# Altium PCB SDR_CAMERA.PcbDoc (part 2 of 3) (continued)
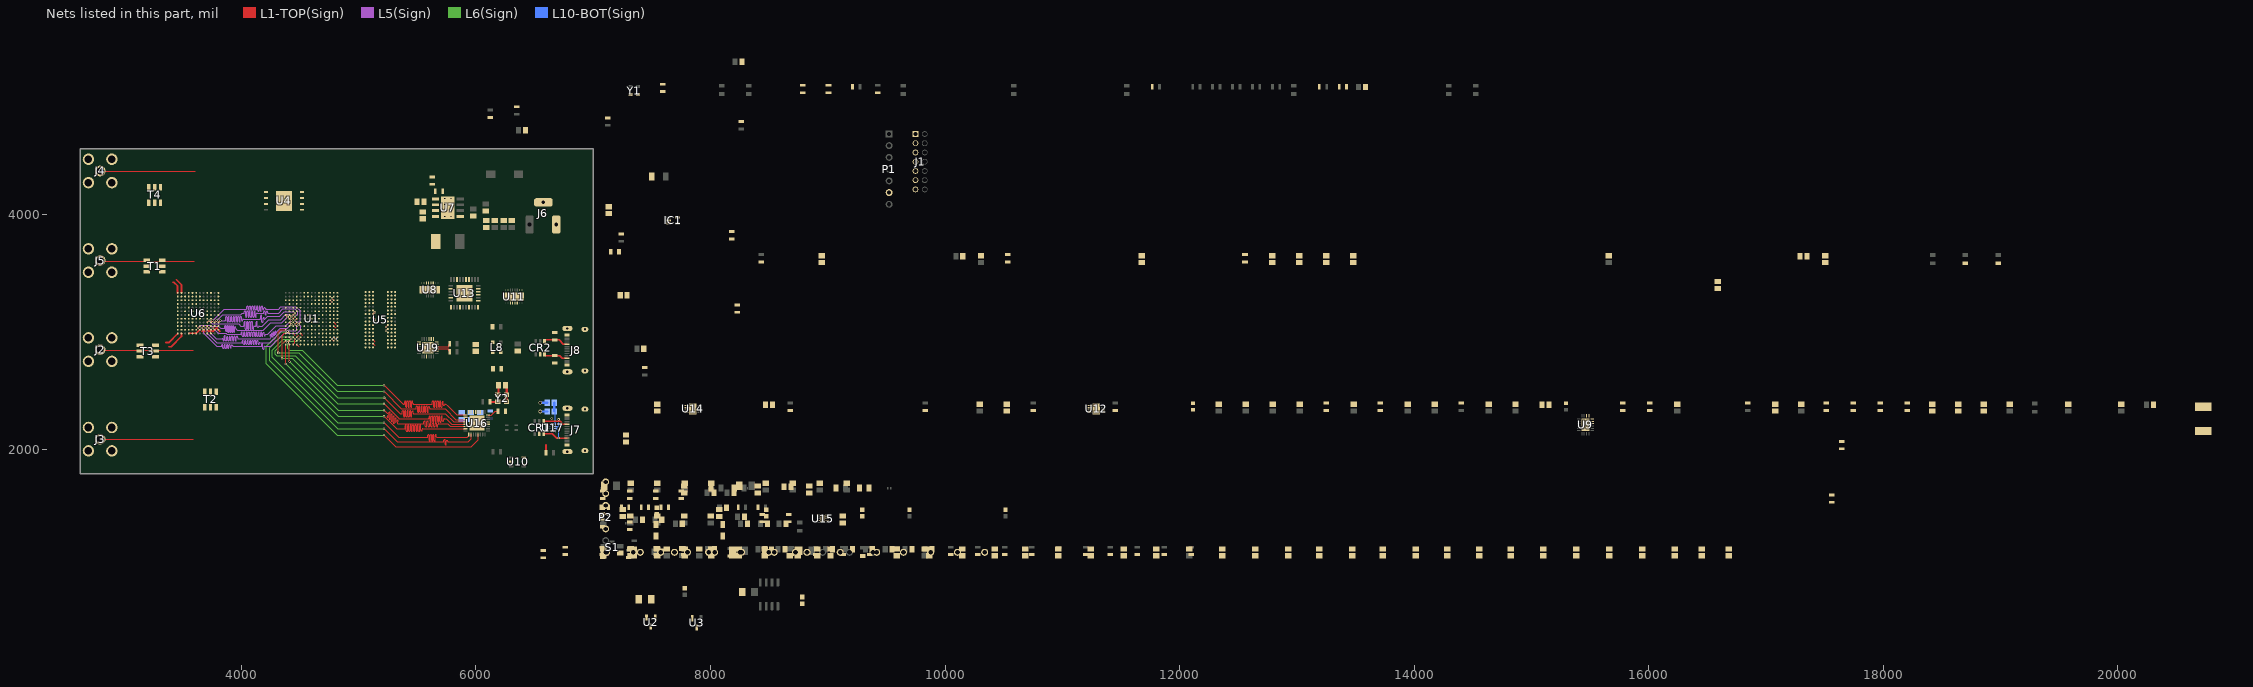
[diagram p10: the nets of this part, all layers, seen from the top]
## Nets (pads, with @x,y where several pads share a name; then routed paths per layer and width w, separated by ;. In a path a pad name is that pad's centre, name@x,y a point inside that pad or via, vN(x,y) a via of type N, cw(c..) or ccw(c..) an arc to the next point about the centre after c; other vN are vias at no path point) (continued)
NetR69_1: R69.1 U11.4
NetR72_1: R72.1 U11.5
NetR74_1: R74.1 U15.9
NetR75_1: R75.1 U15.7
NetR78_1: R78.1 U16.24 | length 96.3
  L1-TOP(Sign) w7.87: U16.24@6102.8,2292.81 6131.39,2292.81 6165.35,2326.77 R78.1@6185.04,2326.77
NetR80_2: R80.2 U17.3 | length 66.9
  L1-TOP(Sign) w15.75: R80.2@6598.43,1972.44 6598.43,2039.37
NetR81_1: R81.1 Y2.3 | length 70.7
  L1-TOP(Sign) w19.68: R81.1@6121.11,2400.9 6120.81,2400.59 R81.1@6120.81,2404.53 6184.57,2404.53 Y2.3@6185.79,2405.76 Y2.3@6185.2,2406.36
NetR83_1: R83.1 R87.2 U19.8
NetU1_M7: U1.M7 U2.1
OUTA: C82.1 C83.1 C84.1 U8.7 U8.8 U11.9 U11.10 U11.15 U11.16
OVP: R60.2 R64.1 U9.15
PG_MPM54304: U13.26
PGND: C160.2 CR2.2 FB18.2 J8.A1_B12 J8.A12_B1 J8.SH1 J8.SH2 J8.SH3 J8.SH4 L8.4 R88.1 R90.1
PL_GPIO0: TP2.TP U1.K13
PL_GPIO1: TP4.TP U1.M12
PL_GPIO2: TP6.TP U1.R10
PL_GPIO3: TP12.TP U1.N14 | length 0
PL_GPIO4: TP14.TP U1.M14
PS-SRST#: R14.2 U1.B11
PS_CLK_500: R15.1 R15.2 U1.C7 Y1.3
PS_GPIO0: TP1.TP U1.D8
PS_GPIO1: TP3.TP U1.B10
PS_GPIO2: U1.D6
PS_GPIO3: TP7.TP U1.B5
PS_GPIO4: TP9.TP U1.C13
PS_GPIO5: TP11.TP U1.D13 | length 22.3
  L1-TOP(Sign) w5.91: U1.D13@4440.94,2988.19 4456.69,2972.44
PS_GPIO6: TP13.TP U1.B12
PS_MIO01_500_QSPI0_SS_B: R21.1 U1.A5 U4.1
PS_MIO02_500_QSPI0_IO0: R25.2 U1.A8 U4.5
PS_MIO03_500_QSPI0_IO1: R23.2 U1.A7 U4.2
PS_MIO04_500_QSPI0_IO2: R24.2 U1.C8 U4.3
PS_MIO05_500_QSPI0_IO3: P2.3 R22.1 U1.A9 U4.7
PS_MIO06_500_QSPI0_SCLK: R26.2 U1.A10 U4.6
PS_MIO07_500_USB_RESET_B: R18.2 U1.A12 U16.27 | length 22.3
  L1-TOP(Sign) w5.32: U1.A12@4472.44,2893.7 4488.19,2877.95
PS_MIO28_501_USB0_D4: U1.A15 U16.7 | length 2573.7
  L1-TOP(Sign) w5.91: v1(4377.95,2728.1) U1.A15@4377.95,2893.7 ; v1(5216.54,2281.5) 5322.83,2175.2 5387.44,2175.2 5390.39,2175.2 ccw(c5390.39,2181.1) 5396.3,2181.1 5396.3,2199.69 cw(c5401.46,2199.69) 5406.61,2199.69 5406.61,2158.51 ccw(c5411.77,2158.51) 5416.93,2158.51 5416.93,2199.69 cw(c5422.09,2199.69) 5427.24,2199.69 5427.24,2158.51 ccw(c5432.4,2158.51) 5437.56,2158.51 5437.56,2199.69 cw(c5442.72,2199.69) 5447.87,2199.69 5447.87,2158.51 ccw(c5453.03,2158.51) 5458.19,2158.51 5458.19,2199.69 cw(c5463.35,2199.69) 5468.5,2199.69 5468.5,2158.51 ccw(c5473.66,2158.51) 5478.82,2158.51 5478.82,2199.69 cw(c5483.98,2199.69) 5489.13,2199.69 5489.13,2158.51 ccw(c5494.29,2158.51) 5499.45,2158.51 5499.45,2199.69 cw(c5504.61,2199.69) 5509.76,2199.69 5509.76,2158.51 ccw(c5514.92,2158.51) 5520.08,2158.51 5520.08,2199.69 cw(c5525.24,2199.69) 5530.39,2199.69 5530.39,2162.96 ccw(c5535.55,2162.96) 5540.71,2162.96 5540.71,2169.29 cw(c5546.61,2169.29) 5546.61,2175.2 5561.98,2175.2 U16.7@5912.01,2175.2
  L6(Sign) w3.94: v1(4377.95,2728.1) 4824.56,2281.5 v1(5216.54,2281.5)
PS_MIO29_501_USB0_DIR: U1.D11 U16.31 | length 22.3
  L1-TOP(Sign) w5.91: U1.D11@4503.94,2988.19 4519.69,2972.44
PS_MIO30_501_USB0_STP: U1.B15 U16.29 | length 24.7
  L1-TOP(Sign) w5.91: 4360.52,2907.76 U1.B15@4377.95,2925.2
PS_MIO31_501_USB0_NXT: U1.C12 U16.2 | length 22.3
  L1-TOP(Sign) w5.91: U1.C12@4472.44,2956.69 4488.19,2972.44
PS_MIO32_501_USB0_D0: U1.E15 U16.3 | length 2573.7
  L1-TOP(Sign) w5.91: v1(4314.96,2822.83) 4314.96,2998.59 4336.05,3019.68 U1.E15@4377.95,3019.68 ; v1(5216.54,2494.09) 5364.17,2346.46 5482.35,2346.46 5485.3,2346.46 ccw(c5485.3,2352.36) 5491.2,2352.36 5491.2,2363.11 cw(c5496.36,2363.11) 5501.52,2363.11 5501.52,2321.93 ccw(c5506.68,2321.93) 5511.83,2321.93 5511.83,2363.11 cw(c5516.99,2363.11) 5522.15,2363.11 5522.15,2321.93 ccw(c5527.31,2321.93) 5532.46,2321.93 5532.46,2363.11 cw(c5537.62,2363.11) 5542.78,2363.11 5542.78,2321.93 ccw(c5547.94,2321.93) 5553.09,2321.93 5553.09,2363.11 cw(c5558.25,2363.11) 5563.41,2363.11 5563.41,2321.93 ccw(c5568.57,2321.93) 5573.72,2321.93 5573.72,2363.11 cw(c5578.88,2363.11) 5584.04,2363.11 5584.04,2321.93 ccw(c5589.2,2321.93) 5594.35,2321.93 5594.35,2357.45 cw(c5599.51,2357.45) 5604.67,2357.45 5604.67,2352.36 ccw(c5610.57,2352.36) 5610.57,2346.46 5654.5,2346.46 5736.22,2346.46 5828.74,2253.94 U16.3@5912.01,2253.94
  L6(Sign) w3.94: v1(4314.96,2822.83) 4488.19,2822.83 4816.93,2494.09 v1(5216.54,2494.09)
PS_MIO33_501_USB0_D1: U1.C11 U16.4 | length 2573.7
  L1-TOP(Sign) w5.91: v1(4488.19,2940.94) U1.C11@4503.94,2956.69 ; v1(5216.77,2440.3) 5217.18,2440.3 5354.33,2303.15 5363.12,2303.15 5366.07,2303.15 ccw(c5366.07,2309.06) 5371.98,2309.06 5371.98,2323.74 cw(c5377.13,2323.74) 5382.29,2323.74 5382.29,2282.56 ccw(c5387.45,2282.56) 5392.61,2282.56 5392.61,2323.74 cw(c5397.76,2323.74) 5402.92,2323.74 5402.92,2282.56 ccw(c5408.08,2282.56) 5413.24,2282.56 5413.24,2323.74 cw(c5418.39,2323.74) 5423.55,2323.74 5423.55,2282.56 ccw(c5428.71,2282.56) 5433.87,2282.56 5433.87,2323.74 cw(c5439.02,2323.74) 5444.18,2323.74 5444.18,2282.56 ccw(c5449.34,2282.56) 5454.5,2282.56 5454.5,2319.99 cw(c5459.65,2319.99) 5464.81,2319.99 5464.81,2309.06 ccw(c5470.72,2309.06) 5470.72,2303.15 5515.75,2303.15 5740.16,2303.15 5809.06,2234.25 U16.4@5912.01,2234.25
  L6(Sign) w3.94: v1(4488.19,2940.94) 4469.97,2922.73 4411.74,2922.73 4407.17,2927.3 4372.18,2927.3 4287.4,2842.52 4287.4,2811.02 4299.21,2799.21 4460.63,2799.21 4819.55,2440.3 4972.44,2440.3 5143.65,2440.3 v1(5216.77,2440.3)
PS_MIO34_501_USB0_D2: U1.D15 U16.5 | length 2573.7
  L1-TOP(Sign) w5.91: v1(4346.46,2775.59) 4346.46,2968.65 4366,2988.19 U1.D15@4377.95,2988.19 ; v1(5216.54,2387.79) 5344.49,2259.84 5591.22,2259.84 5594.17,2259.84 ccw(c5594.17,2265.75) 5600.08,2265.75 5600.08,2278.66 cw(c5605.24,2278.66) 5610.39,2278.66 5610.39,2237.48 ccw(c5615.55,2237.48) 5620.71,2237.48 5620.71,2278.66 cw(c5625.87,2278.66) 5631.02,2278.66 5631.02,2237.48 ccw(c5636.18,2237.48) 5641.34,2237.48 5641.34,2278.66 cw(c5646.5,2278.66) 5651.65,2278.66 5651.65,2237.48 ccw(c5656.81,2237.48) 5661.97,2237.48 5661.97,2278.66 cw(c5667.13,2278.66) 5672.28,2278.66 5672.28,2237.48 ccw(c5677.44,2237.48) 5682.6,2237.48 5682.6,2278.66 cw(c5687.76,2278.66) 5692.91,2278.66 5692.91,2237.48 ccw(c5698.07,2237.48) 5703.23,2237.48 5703.23,2278.66 cw(c5708.39,2278.66) 5713.54,2278.66 5713.54,2245.81 ccw(c5718.7,2245.81) 5723.86,2245.81 5723.86,2253.94 cw(c5729.76,2253.94) 5729.76,2259.84 5748.03,2259.84 5753.01,2254.86 5793.31,2214.57 U16.5@5912.01,2214.57
  L6(Sign) w3.94: v1(4346.46,2775.59) 4433.19,2775.59 4820.99,2387.79 v1(5216.54,2387.79)
PS_MIO35_501_USB0_D3: U1.A14 U16.6 | length 2569.7
  L1-TOP(Sign) w5.91: v1(4409.45,2749.55) U1.A14@4409.45,2893.7 ; v1(5216.54,2334.65) 5241.71,2309.47 5243.79,2307.39 ccw(c5248.03,2311.62) 5252.26,2307.39 5260.72,2315.85 cw(c5264.95,2311.62) 5269.18,2315.85 cw(c5264.95,2311.62) 5269.18,2307.39 5243.79,2282 ccw(c5248.03,2277.77) 5243.79,2273.53 ccw(c5248.03,2277.77) 5252.26,2273.53 5277.65,2298.92 cw(c5281.88,2294.69) 5286.11,2298.92 cw(c5281.88,2294.69) 5286.11,2290.46 5260.72,2265.07 ccw(c5264.95,2260.84) 5260.72,2256.61 ccw(c5264.95,2260.84) 5269.18,2256.61 5294.57,2282 cw(c5298.8,2277.77) 5303.04,2282 cw(c5298.8,2277.77) 5303.04,2273.53 5277.65,2248.15 ccw(c5281.88,2243.91) 5277.65,2239.68 ccw(c5281.88,2243.91) 5286.11,2239.68 5311.5,2265.07 cw(c5315.73,2260.84) 5319.96,2265.07 cw(c5315.73,2260.84) 5319.96,2256.61 5294.57,2231.22 ccw(c5298.8,2226.99) 5294.57,2222.76 ccw(c5298.8,2226.99) 5303.04,2222.76 5328.42,2248.15 cw(c5332.66,2243.91) 5336.89,2248.15 cw(c5332.66,2243.91) 5336.89,2239.68 5328.42,2231.22 ccw(c5332.66,2226.99) 5328.42,2222.76 5334.65,2216.54 5342.52,2216.54 5547.45,2216.54 5550.4,2216.54 ccw(c5550.4,2222.52) 5556.38,2222.52 5556.38,2234.49 cw(c5562.37,2234.49) 5562.37,2240.47 cw(c5562.37,2234.49) 5568.35,2234.49 5568.35,2198.58 ccw(c5574.34,2198.58) 5574.34,2192.6 ccw(c5574.34,2198.58) 5580.32,2198.58 5580.32,2234.49 cw(c5586.3,2234.49) 5586.3,2240.47 cw(c5586.3,2234.49) 5592.29,2234.49 5592.29,2198.58 ccw(c5598.27,2198.58) 5598.27,2192.6 ccw(c5598.27,2198.58) 5604.26,2198.58 5604.26,2216.41 cw(c5610.24,2216.41) 5610.24,2222.4 cw(c5610.24,2216.41) 5616.23,2216.41 5616.23,2198.58 ccw(c5622.21,2198.58) 5622.21,2192.6 ccw(c5622.21,2198.58) 5628.19,2198.58 5628.19,2216.41 cw(c5634.18,2216.41) 5634.18,2222.4 cw(c5634.18,2216.41) 5640.16,2216.41 5640.16,2198.58 ccw(c5646.15,2198.58) 5646.15,2192.6 ccw(c5646.15,2198.58) 5652.13,2198.58 5652.13,2216.41 cw(c5658.12,2216.41) 5658.12,2222.4 cw(c5658.12,2216.41) 5664.1,2216.41 5664.1,2198.58 ccw(c5670.08,2198.58) 5670.08,2192.6 ccw(c5670.08,2198.58) 5676.07,2198.58 5676.07,2210.55 cw(c5682.05,2210.55) 5682.05,2216.54 5748.03,2216.54 5759.84,2216.54 5781.5,2194.88 U16.6@5912.01,2194.88
  L6(Sign) w3.94: v1(4409.45,2749.55) 4824.35,2334.65 4916.55,2334.65 5163.37,2334.65 v1(5216.54,2334.65)
PS_MIO36_501_USB0_CLK: U1.B14 U16.1 | length 2573.8
  L1-TOP(Sign) w5.91: v1(4394.05,2909.45) 4409.45,2924.85 U1.B14@4409.45,2925.2 ; v1(5216.48,2547.24) 5377.89,2385.83 5381.89,2385.83 5384.84,2385.83 ccw(c5384.84,2391.73) 5390.75,2391.73 5390.75,2406.42 cw(c5395.91,2406.42) 5401.06,2406.42 5401.06,2365.24 ccw(c5406.22,2365.24) 5411.38,2365.24 5411.38,2406.42 cw(c5416.54,2406.42) 5421.69,2406.42 5421.69,2365.24 ccw(c5426.85,2365.24) 5432.01,2365.24 5432.01,2406.42 cw(c5437.17,2406.42) 5442.32,2406.42 5442.32,2365.24 ccw(c5447.48,2365.24) 5452.64,2365.24 5452.64,2406.42 cw(c5457.8,2406.42) 5462.95,2406.42 5462.95,2391.73 ccw(c5468.86,2391.73) 5468.86,2385.83 5486.57,2385.83 5620.15,2385.83 5623.1,2385.83 ccw(c5623.1,2391.73) 5629.01,2391.73 5629.01,2406.42 cw(c5634.17,2406.42) 5639.32,2406.42 5639.32,2365.24 ccw(c5644.48,2365.24) 5649.64,2365.24 5649.64,2406.42 cw(c5654.8,2406.42) 5659.95,2406.42 5659.95,2365.24 ccw(c5665.11,2365.24) 5670.27,2365.24 5670.27,2406.42 cw(c5675.43,2406.42) 5680.58,2406.42 5680.58,2365.24 ccw(c5685.74,2365.24) 5690.9,2365.24 5690.9,2406.42 cw(c5696.06,2406.42) 5701.21,2406.42 5701.21,2365.24 ccw(c5706.37,2365.24) 5711.53,2365.24 5711.53,2401.38 cw(c5716.69,2401.38) 5721.84,2401.38 5721.84,2379.92 ccw(c5727,2379.92) 5732.16,2379.92 cw(c5738.06,2379.92) 5738.06,2385.83 5744.09,2385.83 5753.04,2376.88 5836.61,2293.31 U16.1@5912.01,2293.31
  L6(Sign) w3.94: v1(4394.05,2909.45) 4394.05,2861.86 4409.45,2846.46 4519.69,2846.46 4818.9,2547.24 v1(5216.48,2547.24)
PS_MIO37_501_USB0_D5: U1.C14 U16.9 | length 2573.4
  L1-TOP(Sign) w5.91: U1.C14@4409.45,2956.69 v1(4425.2,2940.94) ; v1(5216.54,2228.35) 5342.52,2102.36 5581.3,2102.36 5584.25,2102.36 ccw(c5584.25,2108.27) 5590.16,2108.27 5590.16,2118.98 cw(c5595.31,2118.98) 5600.47,2118.98 5600.47,2078.07 ccw(c5605.63,2078.07) 5610.79,2078.07 5610.79,2118.98 cw(c5615.94,2118.98) 5621.1,2118.98 5621.1,2078.07 ccw(c5626.26,2078.07) 5631.42,2078.07 5631.42,2118.98 cw(c5636.57,2118.98) 5641.73,2118.98 5641.73,2078.07 ccw(c5646.89,2078.07) 5652.05,2078.07 5652.05,2118.98 cw(c5657.2,2118.98) 5662.36,2118.98 5662.36,2108.27 ccw(c5668.27,2108.27) 5668.27,2102.36 5686.27,2102.36 5924.61,2102.36 5938.98,2116.73 U16.9@5938.98,2128.54
  L6(Sign) w3.94: v1(4425.2,2940.94) 4358.27,2940.94 4263.78,2846.46 4263.78,2787.4 4822.83,2228.35 v1(5216.54,2228.35)
PS_MIO38_501_USB0_D6: U1.A13 U16.10 | length 2573.7
  L1-TOP(Sign) w5.91: U1.A13@4440.94,2893.7 4456.69,2909.45 v1(4456.69,2940.94) ; v1(5216.54,2175.2) 5218.5,2175.2 5330.71,2062.99 5718.54,2062.99 5721.5,2062.99 ccw(c5721.5,2068.9) 5727.4,2068.9 5727.4,2077.15 cw(c5732.56,2077.15) 5737.72,2077.15 5737.72,2043.54 ccw(c5742.87,2043.54) 5748.03,2043.54 5748.03,2068.9 cw(c5753.19,2068.9) 5758.35,2068.9 ccw(c5764.25,2068.9) 5764.25,2062.99 5789.3,2062.99 5933.07,2062.99 5958.66,2088.58 U16.10@5958.66,2128.54
  L6(Sign) w3.94: v1(4456.69,2940.94) 4456.63,2940.94 4446.1,2951.48 4446.1,2951.54 4439.3,2958.34 4332.36,2958.34 4240.16,2866.14 4240.16,2755.91 4820.87,2175.2 v1(5216.54,2175.2)
PS_MIO39_501_USB0_D7: U1.D14 U16.13 | length 2573.7
  L1-TOP(Sign) w5.91: v1(4393.7,3003.94) U1.D14@4409.45,2988.19 ; v1(5216.54,2122.05) 5314.96,2023.62 5960.63,2023.62 6017.72,2080.71 U16.13@6017.72,2128.54
  L6(Sign) w3.94: v1(4393.7,3003.94) 4338.58,3003.94 4212.6,2877.95 4212.6,2728.35 4818.9,2122.05 v1(5216.54,2122.05)
RX1A_N: C61.1 U6.M2 | length 168.8
  L1-TOP(Sign) w15: 3381.18,2875.51 3401.18,2875.51 3488.7,2963.03 U6.M2@3488.7,2988.03
RX1A_P: C60.1 U6.M1 | length 133.1
  L1-TOP(Sign) w15: 3356.18,2910.51 3379.69,2910.51 U6.M1@3457.2,2988.03
RX2A_N: C63.1 U6.A1 | length 113.9
  L1-TOP(Sign) w15: 3413.7,3425 3423.7,3425 3454.72,3393.98 U6.A1@3454.72,3333.98
RX2A_P: C62.1 U6.A2 | length 128.6
  L1-TOP(Sign) w15: 3446.18,3445.51 3488.7,3402.99 U6.A2@3488.7,3334.49
RX_D0_N: U1.H14 U6.K11 | length 1381.9
  L1-TOP(Sign) w5.91: v1(3755.84,3035.43) 3755.91,3035.43 U6.K11@3771.65,3051.18 ; U1.H14@4409.45,3114.17 v1(4425.2,3098.43)
  L5(Sign) w3.94: v1(3755.84,3035.43) 3803.09,2988.19 3868.55,2988.19 3868.63,2988.28 3876.59,2980.32 3948.39,2980.32 3984.25,2980.32 3990.88,2980.32 3992.85,2980.32 ccw(c3992.85,2985.47) 3998,2985.47 3998,2992.87 cw(c4003.16,2992.87) 4008.32,2992.87 4008.32,2967.76 ccw(c4013.48,2967.76) 4018.63,2967.76 4018.63,2992.87 cw(c4023.79,2992.87) 4028.95,2992.87 4028.95,2967.76 ccw(c4034.11,2967.76) 4039.26,2967.76 4039.26,2992.87 cw(c4044.42,2992.87) 4049.58,2992.87 4049.58,2967.76 ccw(c4054.74,2967.76) 4059.89,2967.76 4059.89,2992.87 cw(c4065.05,2992.87) 4070.21,2992.87 4070.21,2967.76 ccw(c4075.37,2967.76) 4080.52,2967.76 4080.52,2992.87 cw(c4085.68,2992.87) 4090.84,2992.87 4090.84,2967.76 ccw(c4096,2967.76) 4101.15,2967.76 4101.15,2992.87 cw(c4106.31,2992.87) 4111.47,2992.87 4111.47,2967.76 ccw(c4116.63,2967.76) 4121.78,2967.76 4121.78,2992.87 cw(c4126.94,2992.87) 4132.1,2992.87 4132.1,2967.76 ccw(c4137.26,2967.76) 4142.41,2967.76 4142.41,2992.87 cw(c4147.57,2992.87) 4152.73,2992.87 4152.73,2967.76 ccw(c4157.89,2967.76) 4163.04,2967.76 4163.04,2992.87 cw(c4168.2,2992.87) 4173.36,2992.87 4173.36,2967.76 ccw(c4178.52,2967.76) 4183.67,2967.76 4183.67,2990.5 cw(c4188.83,2990.5) 4193.99,2990.5 4193.99,2975.16 ccw(c4199.15,2975.16) 4204.3,2975.16 cw(c4209.46,2975.16) 4209.46,2980.31 4224.41,2980.32 4276.52,3032.43 4296.87,3052.77 4379.54,3052.77 v1(4425.2,3098.43)
RX_D0_P: U1.J13 U6.J12 | length 1377.9
  L1-TOP(Sign) w5.91: U6.J12@3803.15,3082.68 v1(3818.9,3098.43) ; U1.J13@4440.94,3145.67 4440.94,3147.12 4455.24,3161.42 v1(4456.69,3161.42)
  L5(Sign) w3.94: v1(3818.9,3098.43) 3859.67,3098.43 3861.64,3098.43 ccw(c3861.64,3103.58) 3866.79,3103.58 3866.79,3126.73 cw(c3871.95,3126.73) 3877.11,3126.73 3877.11,3093.74 ccw(c3882.27,3093.74) 3887.42,3093.74 3887.42,3126.73 cw(c3892.58,3126.73) 3897.74,3126.73 3897.74,3093.74 ccw(c3902.9,3093.74) 3908.05,3093.74 3908.05,3126.73 cw(c3913.21,3126.73) 3918.37,3126.73 3918.37,3093.74 ccw(c3923.53,3093.74) 3928.68,3093.74 3928.68,3126.73 cw(c3933.84,3126.73) 3939,3126.73 3939,3093.74 ccw(c3944.16,3093.74) 3949.31,3093.74 3949.31,3126.73 cw(c3954.47,3126.73) 3959.63,3126.73 3959.63,3093.74 ccw(c3964.79,3093.74) 3969.94,3093.74 3969.94,3126.73 cw(c3975.1,3126.73) 3980.26,3126.73 3980.26,3093.31 ccw(c3985.42,3093.31) 3990.57,3093.31 3990.57,3126.73 cw(c3995.73,3126.73) 4000.89,3126.73 4000.89,3102.2 ccw(c4006.05,3102.2) 4011.2,3102.2 4011.2,3105.08 cw(c4016.36,3105.08) 4016.36,3110.24 4047.41,3110.24 4156.46,3110.24 4158.43,3110.24 ccw(c4158.43,3115.39) 4163.58,3115.39 4163.58,3138.54 cw(c4168.74,3138.54) 4173.9,3138.54 4173.9,3088.44 ccw(c4179.06,3088.44) 4184.21,3088.44 4184.21,3117.58 cw(c4189.37,3117.58) 4194.53,3117.58 4194.53,3115.39 ccw(c4199.69,3115.39) 4199.69,3110.24 4200.79,3110.24 4208.66,3118.11 4224.41,3133.86 4326.77,3133.86 4366.14,3173.23 4444.88,3173.23 v1(4456.69,3161.42)
RX_D1_N: U1.G14 U6.K10 | length 1403
  L1-TOP(Sign) w5.91: v1(3722.44,3035.43) 3724.41,3035.43 U6.K10@3740.16,3051.18 ; U1.G14@4409.45,3082.68 4409.45,3081.22 4423.74,3066.93 v1(4425.2,3066.93)
  L5(Sign) w3.94: v1(3722.44,3035.43) 3740.16,3017.72 3740.16,2988.19 3783.46,2944.88 3825.45,2944.88 3837.74,2944.88 cw(c3837.74,2939.72) 3842.89,2939.72 3842.89,2932.32 ccw(c3848.05,2932.32) 3853.21,2932.32 3853.21,2963.17 cw(c3858.37,2963.17) 3863.52,2963.17 3863.52,2932.32 ccw(c3868.68,2932.32) 3873.84,2932.32 3873.84,2957.44 cw(c3879,2957.44) 3884.15,2957.44 3884.15,2932.32 ccw(c3889.31,2932.32) 3894.47,2932.32 3894.47,2957.44 cw(c3899.63,2957.44) 3904.78,2957.44 3904.78,2932.32 ccw(c3909.94,2932.32) 3915.1,2932.32 3915.1,2957.44 cw(c3920.26,2957.44) 3925.41,2957.44 3925.41,2932.32 ccw(c3930.57,2932.32) 3935.73,2932.32 3935.73,2957.44 cw(c3940.89,2957.44) 3946.04,2957.44 3946.04,2932.32 ccw(c3951.2,2932.32) 3956.36,2932.32 3956.36,2957.44 cw(c3961.52,2957.44) 3966.67,2957.44 3966.67,2950.04 ccw(c3971.83,2950.04) 3971.83,2944.88 3984.42,2944.88 4244.09,2944.88 4252.08,2952.87 4253.47,2954.26 ccw(c4250.52,2957.21) 4253.47,2960.16 4244.34,2969.29 cw(c4247.29,2972.24) 4244.34,2975.19 cw(c4247.29,2972.24) 4250.24,2975.19 4264.56,2960.87 ccw(c4267.51,2963.82) 4270.46,2960.87 ccw(c4267.51,2963.82) 4270.46,2966.78 4256.15,2981.09 cw(c4259.1,2984.05) 4256.15,2987 cw(c4259.1,2984.05) 4262.05,2987 4276.37,2972.68 ccw(c4279.32,2975.63) 4282.27,2972.68 ccw(c4279.32,2975.63) 4282.27,2978.58 4267.95,2992.9 cw(c4270.9,2995.85) 4267.95,2998.8 cw(c4270.9,2995.85) 4273.85,2998.8 4288.17,2984.48 ccw(c4291.12,2987.43) 4294.07,2984.48 ccw(c4291.12,2987.43) 4294.07,2990.38 4285.78,2998.67 cw(c4288.74,3001.62) 4285.78,3004.57 cw(c4288.74,3001.62) 4291.69,3004.57 4294.78,3001.47 ccw(c4297.74,3004.43) 4300.69,3001.47 4312.99,3013.78 4330.71,3031.5 4389.76,3031.5 v1(4425.2,3066.93)
RX_D1_P: U1.H13 U6.J11 | length 1377.9
  L1-TOP(Sign) w5.91: U6.J11@3771.65,3082.68 v1(3787.4,3098.43) ; U1.H13@4440.94,3114.17 4440.94,3115.63 4455.24,3129.92 v1(4456.69,3129.92)
  L5(Sign) w3.94: v1(3787.4,3098.43) 3838.58,3149.61 3996.06,3149.61 4007.87,3161.42 4013.31,3161.42 4017.93,3161.42 4019.9,3161.42 ccw(c4019.9,3166.57) 4025.06,3166.57 4025.06,3173.75 cw(c4030.22,3173.75) 4035.37,3173.75 4035.37,3133.11 ccw(c4040.53,3133.11) 4045.69,3133.11 4045.69,3173.75 cw(c4050.85,3173.75) 4056,3173.75 4056,3133.11 ccw(c4061.16,3133.11) 4066.32,3133.11 4066.32,3173.75 cw(c4071.48,3173.75) 4076.63,3173.75 4076.63,3133.11 ccw(c4081.79,3133.11) 4086.95,3133.11 4086.95,3173.75 cw(c4092.11,3173.75) 4097.26,3173.75 4097.26,3133.11 ccw(c4102.42,3133.11) 4107.58,3133.11 4107.58,3173.75 cw(c4112.74,3173.75) 4117.89,3173.75 4117.89,3133.11 ccw(c4123.05,3133.11) 4128.21,3133.11 4128.21,3156.26 cw(c4133.37,3156.26) 4133.37,3161.42 4141.73,3161.42 4184.85,3161.42 4186.82,3161.42 ccw(c4186.82,3166.57) 4191.97,3166.57 4191.97,3173.75 cw(c4197.13,3173.75) 4202.29,3173.75 4202.29,3152.23 ccw(c4207.45,3152.23) 4212.6,3152.23 4212.6,3170.86 cw(c4217.76,3170.86) 4222.92,3170.86 4222.92,3166.57 ccw(c4228.08,3166.57) 4228.08,3161.42 4301.67,3161.42 4318.9,3161.42 4354.33,3196.85 4456.69,3196.85 4480.31,3173.23 4480.31,3153.54 v1(4456.69,3129.92)
RX_D2_N: U1.G12 U6.K9 | length 1369.5
  L1-TOP(Sign) w5.91: v1(3692.91,3035.43) U6.K9@3708.66,3051.18 ; v1(4456.69,3066.93) 4458.15,3066.93 4472.44,3081.22 U1.G12@4472.44,3082.68
  L5(Sign) w3.94: v1(3692.91,3035.43) 3708.66,3019.69 3708.66,2988.19 3787.4,2909.45 4000.08,2909.45 4002.05,2909.45 ccw(c4002.05,2914.61) 4007.2,2914.61 4007.2,2922.01 cw(c4012.36,2922.01) 4017.52,2922.01 4017.52,2900.83 ccw(c4022.68,2900.83) 4027.83,2900.83 4027.83,2922.01 cw(c4032.99,2922.01) 4038.15,2922.01 4038.15,2900.83 ccw(c4043.31,2900.83) 4048.46,2900.83 4048.46,2922.01 cw(c4053.62,2922.01) 4058.78,2922.01 4058.78,2900.83 ccw(c4063.94,2900.83) 4069.09,2900.83 4069.09,2922.01 cw(c4074.25,2922.01) 4079.41,2922.01 4079.41,2900.83 ccw(c4084.57,2900.83) 4089.72,2900.83 4089.72,2922.01 cw(c4094.88,2922.01) 4100.04,2922.01 4100.04,2900.83 ccw(c4105.2,2900.83) 4110.35,2900.83 4110.35,2922.01 cw(c4115.51,2922.01) 4120.67,2922.01 4120.67,2900.83 ccw(c4125.83,2900.83) 4130.98,2900.83 4130.98,2922.01 cw(c4136.14,2922.01) 4141.3,2922.01 4141.3,2900.83 ccw(c4146.46,2900.83) 4151.61,2900.83 4151.61,2904.29 cw(c4156.77,2904.29) 4156.77,2909.45 4165.91,2909.45 4244.09,2909.45 4345.87,3011.22 4463.98,3011.22 4472.44,3019.68 4472.44,3051.18 v1(4456.69,3066.93)
RX_D2_P: U1.H12 U6.J10 | length 1377.9
  L1-TOP(Sign) w5.91: U6.J10@3740.16,3082.68 3740.26,3082.68 3755.91,3098.32 v1(3755.91,3098.43) ; v1(4456.95,3098.43) 4457.89,3098.43 4472.44,3112.97 U1.H12@4472.44,3114.17
  L5(Sign) w3.94: v1(3755.91,3098.43) 3854.1,3196.62 4040.03,3196.62 4041.99,3196.62 ccw(c4041.99,3201.78) 4047.15,3201.78 4047.15,3214.1 cw(c4052.31,3214.1) 4057.47,3214.1 4057.47,3196.62 ccw(c4062.62,3196.62) 4067.78,3196.62 4067.78,3214.1 cw(c4072.94,3214.1) 4078.1,3214.1 4078.1,3196.62 ccw(c4083.25,3196.62) 4088.41,3196.62 4088.41,3214.1 cw(c4093.57,3214.1) 4098.73,3214.1 4098.73,3196.62 ccw(c4103.88,3196.62) 4109.04,3196.62 4109.04,3214.1 cw(c4114.2,3214.1) 4119.36,3214.1 4119.36,3196.56 ccw(c4124.51,3196.56) 4129.67,3196.56 4129.67,3214.1 cw(c4134.83,3214.1) 4139.99,3214.1 4139.99,3184.29 ccw(c4145.14,3184.29) 4150.3,3184.29 4150.3,3214.1 cw(c4155.46,3214.1) 4160.62,3214.1 4160.62,3184.29 ccw(c4165.77,3184.29) 4170.93,3184.29 4170.93,3213.72 cw(c4176.09,3213.72) 4181.25,3213.72 4181.25,3196.62 ccw(c4186.4,3196.62) 4191.56,3196.62 4191.56,3201.78 cw(c4196.72,3201.78) 4201.88,3201.78 ccw(c4207.03,3201.78) 4207.03,3196.62 4240.16,3196.62 4312.55,3196.62 4316.36,3196.62 4337.21,3217.48 4463.63,3217.48 4500,3181.1 4500,3094.49 4493.34,3087.83 4467.54,3087.83 v1(4456.95,3098.43)
RX_D3_N: U1.G11 U6.K8 | length 1381.9
  L1-TOP(Sign) w5.91: v1(3661.42,3035.43) 3661.52,3035.43 3677.17,3051.07 U6.K8@3677.17,3051.18 ; v1(4488.19,3066.93) U1.G11@4503.94,3082.68
  L5(Sign) w3.94: v1(3661.42,3035.43) 3677.17,3019.69 3677.17,2988.19 3787.4,2877.95 3824.29,2877.95 3826.26,2877.95 ccw(c3826.26,2883.11) 3831.42,2883.11 3831.42,2886.57 cw(c3836.58,2886.57) 3841.73,2886.57 3841.73,2865.39 ccw(c3846.89,2865.39) 3852.05,2865.39 3852.05,2886.57 cw(c3857.21,2886.57) 3862.36,2886.57 3862.36,2865.39 ccw(c3867.52,2865.39) 3872.68,2865.39 3872.68,2886.57 cw(c3877.84,2886.57) 3882.99,2886.57 3882.99,2865.39 ccw(c3888.15,2865.39) 3893.31,2865.39 3893.31,2886.57 cw(c3898.47,2886.57) 3903.62,2886.57 3903.62,2871.16 ccw(c3908.78,2871.16) 3913.94,2871.16 3913.94,2883.11 cw(c3919.1,2883.11) 3924.25,2883.11 ccw(c3929.41,2883.11) 3929.41,2877.95 3943.51,2877.95 4166.19,2877.95 4168.16,2877.95 ccw(c4168.16,2883.11) 4173.32,2883.11 4173.32,2896.34 cw(c4178.48,2896.34) 4183.63,2896.34 4183.63,2859.11 ccw(c4188.79,2859.11) 4193.95,2859.11 4193.95,2872.8 cw(c4199.11,2872.8) 4199.11,2877.95 4239.49,2877.95 4251.97,2877.95 4364.22,2990.2 4474.45,2990.2 4503.94,3019.68 4503.94,3051.18 v1(4488.19,3066.93)
RX_D3_P: U1.J14 U6.J9 | length 1377.9
  L1-TOP(Sign) w5.91: U6.J9@3708.66,3082.68 v1(3724.41,3098.43) ; U1.J14@4409.45,3145.67 4410.9,3145.67 4425.2,3131.37 v1(4425.2,3129.92)
  L5(Sign) w3.94: v1(3724.41,3098.43) 3751.97,3070.87 3976.38,3070.87 3996.06,3051.18 4015.6,3051.18 4017.57,3051.18 ccw(c4017.57,3056.34) 4022.73,3056.34 4022.73,3083.58 cw(c4027.88,3083.58) 4033.04,3083.58 4033.04,3028.86 ccw(c4038.2,3028.86) 4043.36,3028.86 4043.36,3083.58 cw(c4048.51,3083.58) 4053.67,3083.58 4053.67,3028.86 ccw(c4058.83,3028.86) 4063.99,3028.86 4063.99,3083.58 cw(c4069.14,3083.58) 4074.3,3083.58 4074.3,3028.86 ccw(c4079.46,3028.86) 4084.62,3028.86 4084.62,3083.58 cw(c4089.77,3083.58) 4094.93,3083.58 4094.93,3028.86 ccw(c4100.09,3028.86) 4105.25,3028.86 4105.25,3046.02 cw(c4110.4,3046.02) 4110.4,3051.18 4120.72,3051.18 ccw(c4120.72,3056.34) 4125.88,3056.34 4125.88,3083.24 cw(c4131.03,3083.24) 4136.19,3083.24 4136.19,3046.02 ccw(c4141.35,3046.02) 4146.51,3046.02 cw(c4151.66,3046.02) 4151.66,3051.18 4177.17,3051.18 4192.67,3066.69 4232.28,3106.3 4333.65,3106.3 4378.17,3150.82 4404.3,3150.82 v1(4425.2,3129.92)
RX_D4_N: U1.J15 U6.K7 | length 1403
  L1-TOP(Sign) w5.91: v1(3629.92,3035.43) U6.K7@3645.67,3051.18 ; U1.J15@4377.95,3145.67 4379.41,3145.67 4393.7,3131.37 v1(4393.7,3129.92)
  L5(Sign) w3.94: v1(3629.92,3035.43) 3645.67,3051.18 3653.54,3059.06 3732.28,3059.06 3740.16,3051.18 3803.15,3051.18 3822.83,3031.5 3851.54,3031.5 3853.51,3031.5 ccw(c3853.51,3035.67) 3857.68,3035.67 3857.68,3048.98 cw(c3861.86,3048.98) 3861.86,3053.15 cw(c3861.86,3048.98) 3866.03,3048.98 3866.03,3010.17 ccw(c3870.2,3010.17) 3870.2,3005.99 ccw(c3870.2,3010.17) 3874.38,3010.17 3874.38,3048.98 cw(c3878.55,3048.98) 3878.55,3053.15 cw(c3878.55,3048.98) 3882.72,3048.98 3882.72,3003.41 ccw(c3886.89,3003.41) 3886.89,2999.24 ccw(c3886.89,3003.41) 3891.07,3003.41 3891.07,3048.98 cw(c3895.24,3048.98) 3895.24,3053.15 cw(c3895.24,3048.98) 3899.41,3048.98 3899.41,3002.2 ccw(c3903.59,3002.2) 3903.59,2998.03 ccw(c3903.59,3002.2) 3907.76,3002.2 3907.76,3048.98 cw(c3911.93,3048.98) 3911.93,3053.15 cw(c3911.93,3048.98) 3916.11,3048.98 3916.11,3002.2 ccw(c3920.28,3002.2) 3920.28,2998.03 ccw(c3920.28,3002.2) 3924.45,3002.2 3924.45,3048.98 cw(c3928.63,3048.98) 3928.63,3053.15 cw(c3928.63,3048.98) 3932.8,3048.98 3932.8,3002.2 ccw(c3936.97,3002.2) 3936.97,2998.03 ccw(c3936.97,3002.2) 3941.15,3002.2 3941.15,3040.82 cw(c3945.32,3040.82) 3945.32,3044.99 cw(c3945.32,3040.82) 3949.49,3040.82 3949.49,3032.55 ccw(c3953.67,3032.55) 3950.72,3029.6 3964.57,3015.75 3972.44,3015.75 4185.04,3015.75 4249.77,3080.47 4344.25,3080.47 v1(4393.7,3129.92)